# Altium PCB Thunderscope_Rev3.PCBDOC (part 4 of 6)
Units mm, origin at the board's own origin, x right, y up, seen from the top; angles counter-clockwise.
Board outline 119 x 104 mm, 6 copper layers (Top Layer, Int1 (GND), Int2 (Sign), Int3 (Sign), Int4 (GND), Bottom Layer), stack 1.49 mm thick; 575 components, 342 nets, 2000 pads, 1216 vias.
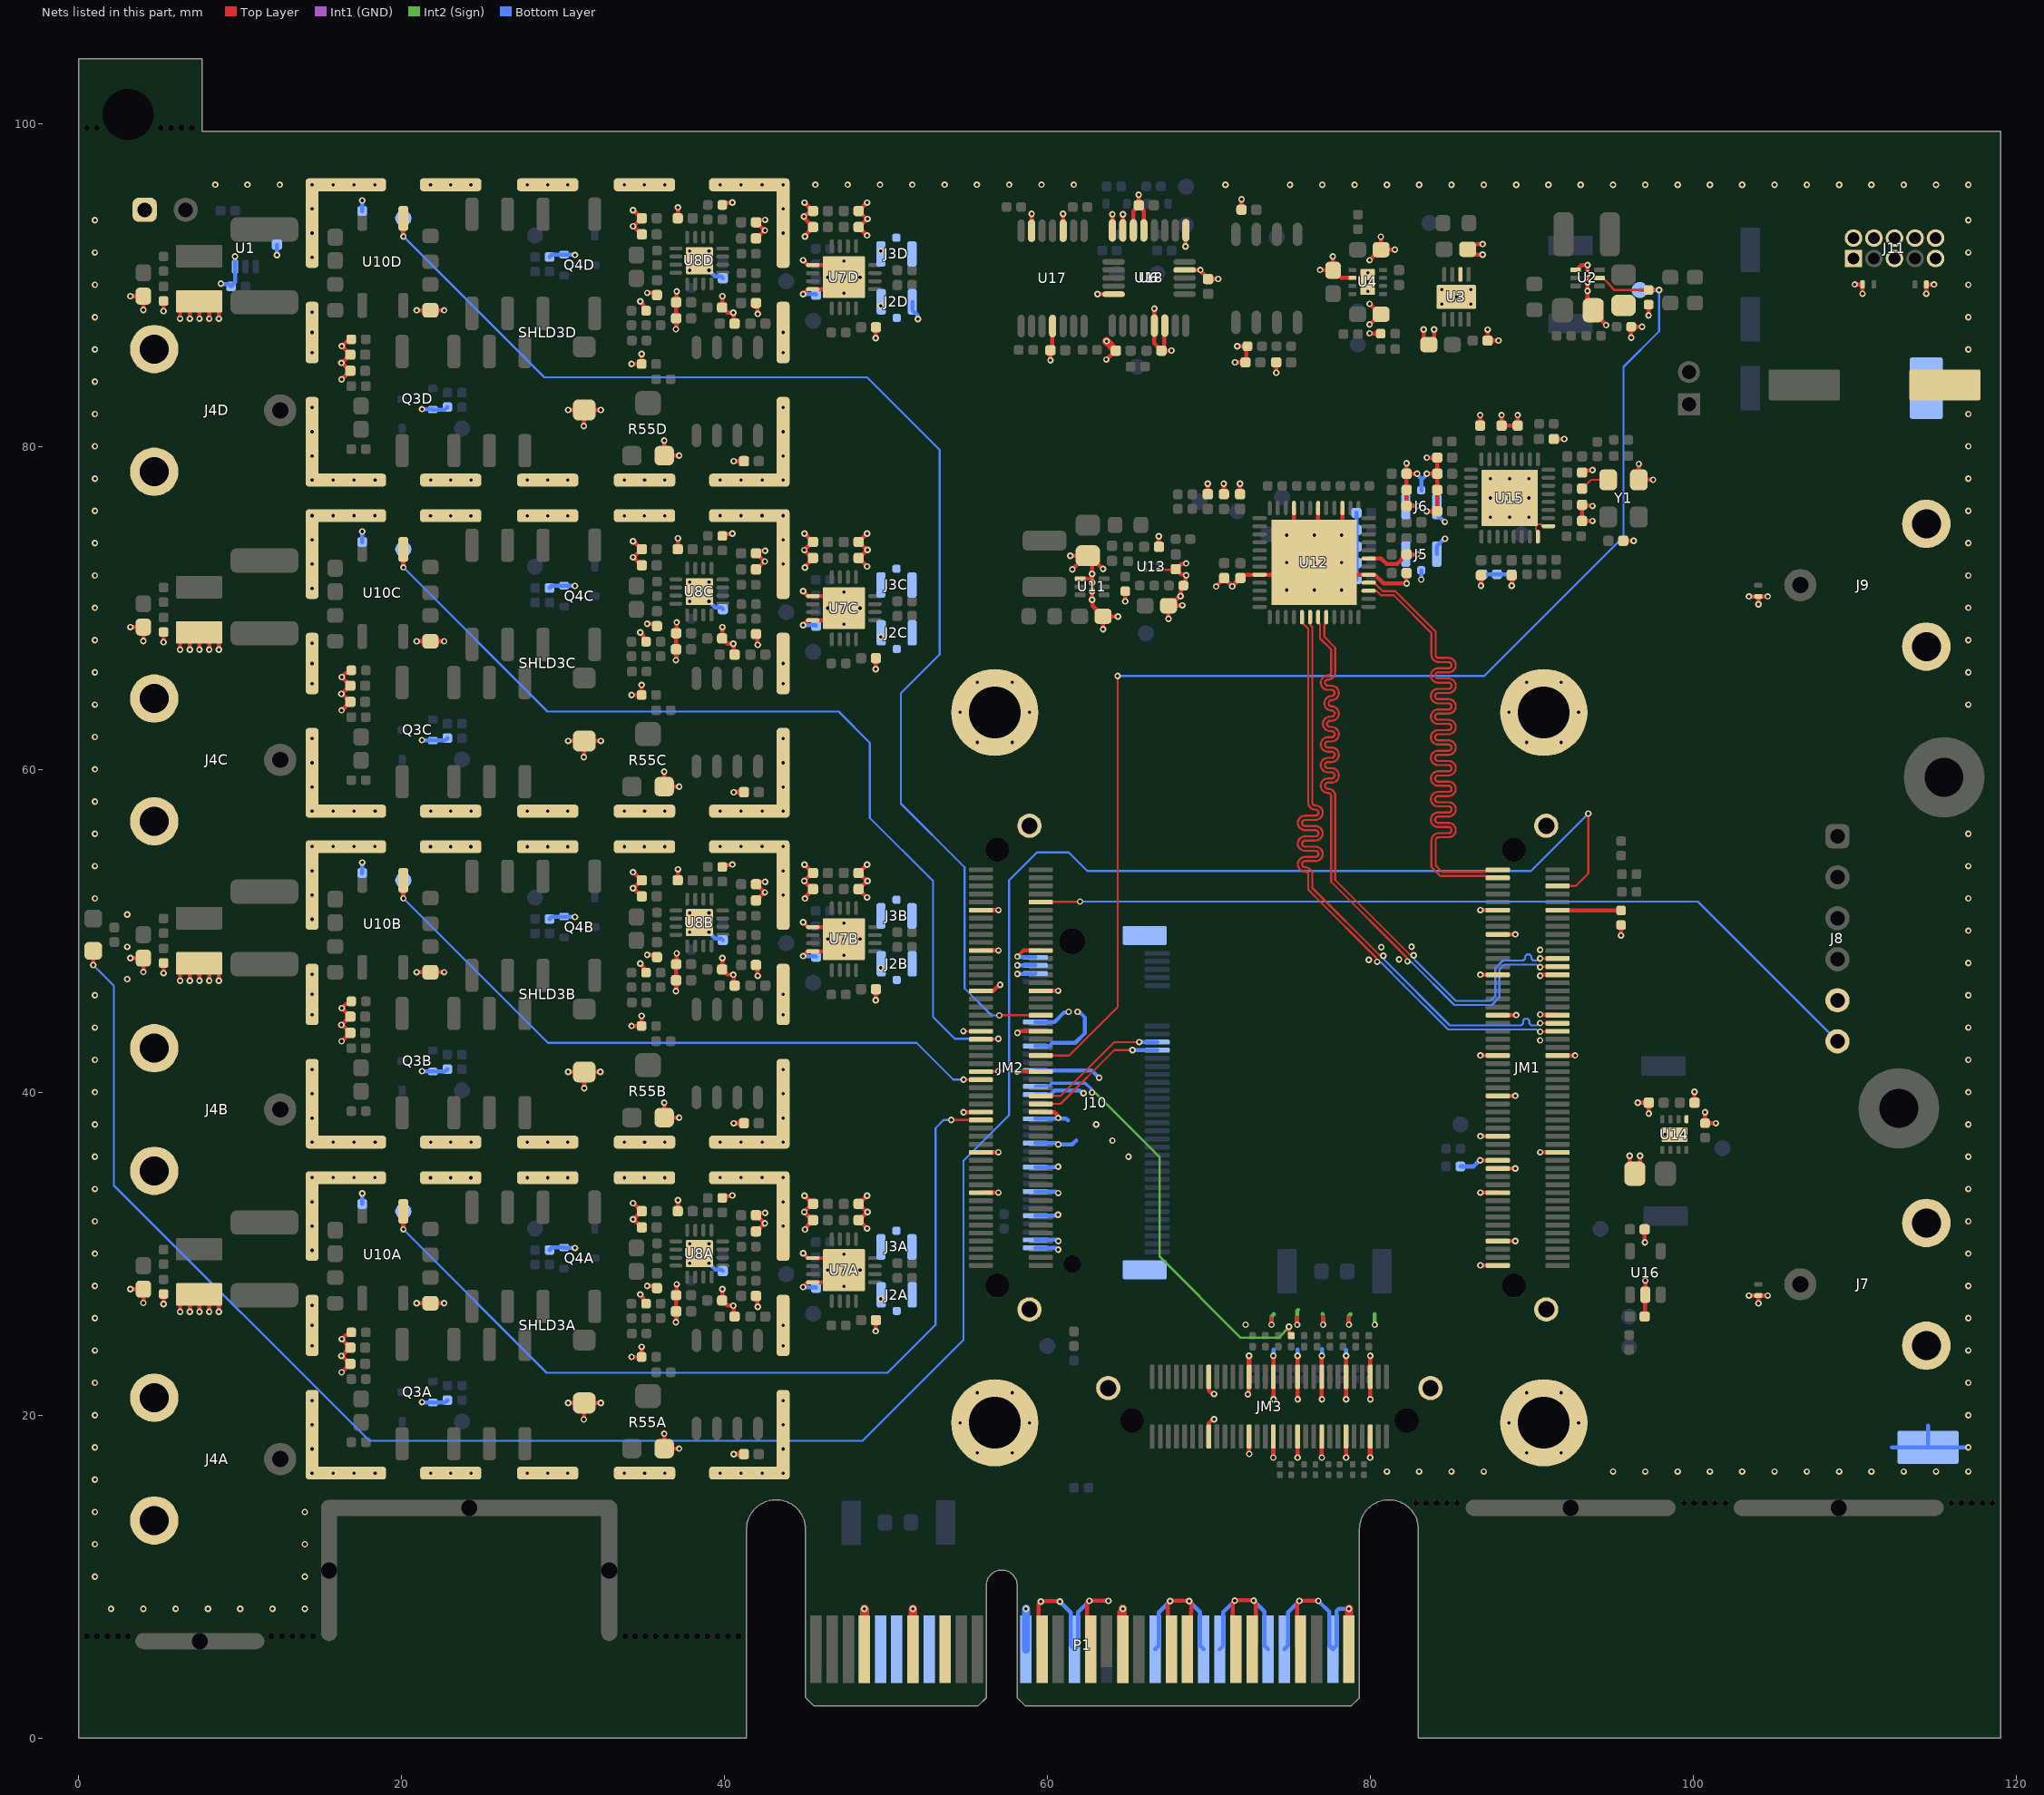
[diagram p8: the nets of this part, all layers, seen from the top]

## Via types
v1: diameter 0.406, hole 0.203, Top Layer to Bottom Layer, tented both sides, 1216 vias

## Nets (pads, with @x,y where several pads share a name; then routed paths per layer and width w, separated by ;. In a path a pad name is that pad's centre, name@x,y a point inside that pad or via, vN(x,y) a via of type N, cw(c..) or ccw(c..) an arc to the next point about the centre after c; other vN are vias at no path point) (continued)
D4B_N: JM1.99 U12.28 | length 42
  Top Layer w0.127: U12.28@79.868,71.55 80.208,71.55 80.731,71.027 81.523,71.027 84.018,68.532 84.018,67.276 84.018,67.084 ccw(c84.208,67.084) 84.208,66.893 84.815,66.893 cw(c84.815,66.445) 85.262,66.445 cw(c84.815,66.445) 84.815,65.998 84.169,65.998 ccw(c84.169,65.807) 83.979,65.807 ccw(c84.169,65.807) 84.169,65.617 84.815,65.617 cw(c84.815,65.169) 85.262,65.169 cw(c84.815,65.169) 84.815,64.721 84.169,64.721 ccw(c84.169,64.531) 83.979,64.531 ccw(c84.169,64.531) 84.169,64.34 84.815,64.34 cw(c84.815,63.892) 85.262,63.892 cw(c84.815,63.892) 84.815,63.445 84.169,63.445 ccw(c84.169,63.254) 83.979,63.254 ccw(c84.169,63.254) 84.169,63.064 84.815,63.064 cw(c84.815,62.616) 85.262,62.616 cw(c84.815,62.616) 84.815,62.168 84.169,62.168 ccw(c84.169,61.978) 83.979,61.978 ccw(c84.169,61.978) 84.169,61.787 84.815,61.787 cw(c84.815,61.34) 85.262,61.34 cw(c84.815,61.34) 84.815,60.892 84.169,60.892 ccw(c84.169,60.701) 83.979,60.701 ccw(c84.169,60.701) 84.169,60.511 84.815,60.511 cw(c84.815,60.063) 85.262,60.063 cw(c84.815,60.063) 84.815,59.615 84.169,59.615 ccw(c84.169,59.425) 83.979,59.425 ccw(c84.169,59.425) 84.169,59.234 84.815,59.234 cw(c84.815,58.787) 85.262,58.787 cw(c84.815,58.787) 84.815,58.339 84.169,58.339 ccw(c84.169,58.149) 83.979,58.149 ccw(c84.169,58.149) 84.169,57.958 84.815,57.958 cw(c84.815,57.51) 85.262,57.51 cw(c84.815,57.51) 84.815,57.063 84.169,57.063 ccw(c84.169,56.872) 83.979,56.872 ccw(c84.169,56.872) 84.169,56.682 84.815,56.682 cw(c84.815,56.234) 85.262,56.234 cw(c84.815,56.234) 84.815,55.786 84.208,55.786 ccw(c84.208,55.596) 84.018,55.596 84.018,54.046 84.264,53.8 84.415,53.649 87.139,53.649 87.261,53.771 JM1.99@87.867,53.771
D4B_P: JM1.97 U12.27 | length 41.9
  Top Layer w0.127: U12.27@79.868,71.05 79.889,71.029 80.365,71.029 80.624,70.77 81.417,70.77 83.761,68.426 83.761,67.276 83.761,67.084 ccw(c84.208,67.084) 84.208,66.636 84.815,66.636 cw(c84.815,66.445) 85.005,66.445 cw(c84.815,66.445) 84.815,66.255 84.169,66.255 ccw(c84.169,65.807) 83.722,65.807 ccw(c84.169,65.807) 84.169,65.359 84.815,65.359 cw(c84.815,65.169) 85.005,65.169 cw(c84.815,65.169) 84.815,64.978 84.169,64.978 ccw(c84.169,64.531) 83.722,64.531 ccw(c84.169,64.531) 84.169,64.083 84.815,64.083 cw(c84.815,63.892) 85.005,63.892 cw(c84.815,63.892) 84.815,63.702 84.169,63.702 ccw(c84.169,63.254) 83.722,63.254 ccw(c84.169,63.254) 84.169,62.807 84.815,62.807 cw(c84.815,62.616) 85.005,62.616 cw(c84.815,62.616) 84.815,62.426 84.169,62.426 ccw(c84.169,61.978) 83.722,61.978 ccw(c84.169,61.978) 84.169,61.53 84.815,61.53 cw(c84.815,61.34) 85.005,61.34 cw(c84.815,61.34) 84.815,61.149 84.169,61.149 ccw(c84.169,60.701) 83.722,60.701 ccw(c84.169,60.701) 84.169,60.254 84.815,60.254 cw(c84.815,60.063) 85.005,60.063 cw(c84.815,60.063) 84.815,59.873 84.169,59.873 ccw(c84.169,59.425) 83.722,59.425 ccw(c84.169,59.425) 84.169,58.977 84.815,58.977 cw(c84.815,58.787) 85.005,58.787 cw(c84.815,58.787) 84.815,58.596 84.169,58.596 ccw(c84.169,58.149) 83.722,58.149 ccw(c84.169,58.149) 84.169,57.701 84.815,57.701 cw(c84.815,57.51) 85.005,57.51 cw(c84.815,57.51) 84.815,57.32 84.169,57.32 ccw(c84.169,56.872) 83.722,56.872 ccw(c84.169,56.872) 84.169,56.424 84.815,56.424 cw(c84.815,56.234) 85.005,56.234 cw(c84.815,56.234) 84.815,56.043 84.208,56.043 ccw(c84.208,55.596) 83.761,55.596 83.761,53.939 83.836,53.863 83.9,53.8 84.308,53.392 87.139,53.392 87.261,53.271 JM1.97@87.867,53.271
DC_CPL_1: JM2.37 TP22A.1 U10A.1 | length 55.3
  Top Layer w0.127: v1(54.025,38.275) 54.027,38.273 JM2.37@55.865,38.273
  Top Layer w0.25: U10A.1@20.093,32.613 20.098,32.608 20.098,31.502 v1(20.1,31.5)
  Bottom Layer w0.127: TP22A.1@20.095,32.62 TP22A.1@20.098,32.617 ; v1@20.098,31.502 v1(20.1,31.5) 28.975,22.625 50.075,22.625 53.05,25.6 53.05,37.775 53.55,38.275 v1(54.025,38.275)
  Bottom Layer w0.254: v1@20.098,31.502 TP22A.1@20.098,32.617
DC_CPL_2: JM2.47 TP22B.1 U10B.1 | length 42.6
  Top Layer w0.127: v1@54.789,40.773 JM2.47@55.831,40.773
  Top Layer w0.25: U10B.1@20.093,53.113 20.098,53.108 20.098,52.002 v1(20.1,52)
  Bottom Layer w0.127: TP22B.1@20.095,53.12 TP22B.1@20.098,53.117 ; v1(20.1,52) 29.05,43.05 51.875,43.05 54.15,40.775 v1(54.787,40.775)
  Bottom Layer w0.254: v1@20.098,52.002 TP22B.1@20.098,53.117
DC_CPL_3: JM2.57 TP22C.1 U10C.1 | length 59.9
  Top Layer w0.127: JM2.57@55.877,43.285 v1@56.933,43.285
  Top Layer w0.25: U10C.1@20.093,73.613 20.098,73.608 20.098,72.502 v1(20.1,72.5)
  Bottom Layer w0.127: TP22C.1@20.095,73.62 TP22C.1@20.098,73.618 ; v1(20.1,72.5) 29.029,63.571 47.054,63.571 48.986,61.639 48.986,56.989 52.9,53.075 52.9,44.65 54.25,43.3 v1(56.947,43.3)
  Bottom Layer w0.254: v1@20.098,72.502 TP22C.1@20.098,73.618
DC_CPL_4: JM2.64 TP22D.1 U10D.1 | length 82.3
  Top Layer w0.127: v1(57,44.75) 57.01,44.76 59.552,44.76 JM2.64@59.561,44.769
  Top Layer w0.25: U10D.1@20.093,94.113 20.098,94.108 20.098,93.002 v1(20.1,93)
  Bottom Layer w0.127: TP22D.1@20.095,94.12 TP22D.1@20.098,94.118 ; v1@20.098,93.002 28.825,84.275 48.809,84.275 53.3,79.784 53.3,67.106 50.9,64.706 50.9,57.875 54.85,53.925 54.85,46.425 56.525,44.75 v1(57,44.75)
  Bottom Layer w0.254: v1@20.098,93.002 TP22D.1@20.098,94.118
EN1: JM1.27 R102.1 | length 2.5
  Top Layer w0.254: v1(86.775,35.775) 86.777,35.773 JM1.27@87.867,35.771 JM1.27@87.867,35.771
  Bottom Layer w0.254: R102.1@85.55,35.4 86.359,35.4 86.734,35.775 v1(86.775,35.775)
FCLK_N: JM1.78 U12.20 | length 42
  Top Layer w0.127: U12.20@77.243,69.425 77.243,69.085 77.122,68.964 77.122,68.203 77.8,67.525 77.8,66.745 77.8,66 cw(c77.352,66) 77.352,65.552 ccw(c77.352,65.362) 77.352,65.171 77.576,65.171 cw(c77.576,64.723) 77.576,64.276 ccw(c77.575,64.085) 77.575,63.895 cw(c77.576,63.447) 77.576,62.999 77.484,62.999 ccw(c77.484,62.809) 77.484,62.618 77.576,62.618 cw(c77.576,62.171) 77.576,61.723 77.35,61.723 ccw(c77.35,61.532) 77.35,61.342 77.576,61.342 cw(c77.576,60.894) 77.576,60.446 77.35,60.446 ccw(c77.35,60.256) 77.35,60.065 77.576,60.065 cw(c77.576,59.618) 77.576,59.17 77.35,59.17 ccw(c77.35,58.979) 77.35,58.789 77.352,58.789 cw(c77.352,58.341) 77.8,58.341 77.8,58.149 77.8,53.134 82.403,48.531 82.599,48.531 v1(82.652,48.477) ; v1(90.487,48.272) JM1.78@91.565,48.272
  Bottom Layer w0.127: v1(82.652,48.477) 82.706,48.424 82.706,48.228 85.277,45.657 87.393,45.657 87.717,45.98 87.717,47.692 88.175,48.15 89.306,48.15 89.318,48.15 89.369,48.15 ccw(c89.369,48.34) 89.56,48.34 89.56,48.349 cw(c89.75,48.349) 89.941,48.349 89.941,48.34 ccw(c90.131,48.34) 90.131,48.15 90.289,48.15 90.411,48.272 90.45,48.272 v1(90.487,48.272)
FCLK_P: JM1.76 U12.19 | length 42.1
  Top Layer w0.127: U12.19@76.743,69.425 76.743,69.085 76.864,68.964 76.864,68.097 77.543,67.418 77.543,66.745 77.543,66 cw(c77.352,66) 77.352,65.809 ccw(c77.352,65.362) 77.352,64.914 77.576,64.914 cw(c77.576,64.723) 77.576,64.533 ccw(c77.575,64.085) 77.575,63.637 cw(c77.576,63.447) 77.576,63.256 77.484,63.256 ccw(c77.484,62.809) 77.484,62.361 77.576,62.361 cw(c77.576,62.171) 77.576,61.98 77.35,61.98 ccw(c77.35,61.532) 77.35,61.085 77.576,61.085 cw(c77.576,60.894) 77.576,60.704 77.35,60.704 ccw(c77.35,60.256) 77.35,59.808 77.576,59.808 cw(c77.576,59.618) 77.576,59.427 77.35,59.427 ccw(c77.35,58.979) 77.35,58.532 77.352,58.532 cw(c77.352,58.341) 77.543,58.341 77.543,58.149 77.543,53.028 82.222,48.349 82.222,48.153 v1(82.275,48.1) ; v1(90.487,47.739) 90.513,47.765 90.938,47.765 90.952,47.779 90.992,47.739 JM1.76@91.567,47.739
  Bottom Layer w0.127: v1(82.275,48.1) 82.328,48.047 82.524,48.047 85.17,45.4 87.5,45.4 87.974,45.874 87.974,47.585 88.282,47.893 89.935,47.893 90.273,47.893 90.427,47.739 v1(90.487,47.739)
FE_EN: JM2.54 R6.1 TP7.1 U2.2 | length 82.8
  Top Layer w0.127: JM2.54@59.567,42.271 61.321,42.271 64.325,45.275 v1(64.325,65.775) ; U2.2@94.165,90.425 94.244,90.346 94.404,90.346 94.444,90.346 94.478,90.322 cw(c94.404,90.219) 94.504,90.296 94.535,90.265 94.688,90.113 94.691,90.11 95.034,89.718 95.077,89.675 95.13,89.675 R6.1@97.2,89.675 ; R6.1@97.206,89.675 R6.1@97.2,89.675 ; v1(97.85,89.675) R6.1@97.2,89.675
  Bottom Layer w0.127: v1(64.325,65.775) 87.025,65.775 95.65,74.4 95.65,84.925 97.85,87.125 v1(97.85,89.675)
  Bottom Layer w0.254: TP7.1@96.65,89.675 v1(97.85,89.675)
GND: C1.2 C2.1 C3.1 C4.1 C5.1 C6.1 C7.1 C8.1 C10.1 C11.1 C12.2 C13.1 C14.1 C18A.2 C18B.2 C18C.2 C18D.2 C20A.1 C20B.1 C20C.1 C20D.1 C21A.1 C21B.1 C21C.1 C21D.1 C22A.1 C22B.1 C22C.1 C22D.1 C23A.1 C23B.1 C23C.1 C23D.1 C24A.1 C24B.1 C24C.1 C24D.1 C25A.1 C25B.1 C25C.1 C25D.1 C26A.1 C26B.1 C26C.1 C26D.1 C28A.2 C28B.2 C28C.2 C28D.2 C29A.1 C29B.1 C29C.1 C29D.1 C31A.1 C31B.1 C31C.1 C31D.1 C32A.2 C32B.2 C32C.2 C32D.2 C33A.2 C33B.2 C33C.2 C33D.2 C34A.2 C34B.2 C34C.2 C34D.2 C35A.1 C35B.1 C35C.1 C35D.1 C36A.1 C36B.1 C36C.1 C36D.1 C37A.1 C37B.1 C37C.1 C37D.1 C38A.1 C38B.1 C38C.1 C38D.1 C39A.2 C39B.2 C39C.2 C39D.2 C41.1 C42.1 C43.1 C44.1 C45.1 C46.1 C47.1 C48.1 C49.1 C50.1 C52.1 C53.1 C54.1 C55.1 C56.1 C57.1 C58.1 C59.1 C60.1 C61.1 C63A.2 C63B.2 C63C.2 C63D.2 C64A.2 C64B.2 C64C.2 C64D.2 C78A.1 C78B.1 C78C.1 C78D.1 C82.2 C83.2 C84.2 C85.2 C86.2 C87.2 C88.2 C89.2 C90.2 C91.1 C92.1 C93.2 C94.2 C95.2 C97.2 C99.2 C100.1 C101A.2 C101B.2 C101C.2 C101D.2 C102A.2 C102B.2 C102C.2 C102D.2 C105.1 C106.1 C107.1 C108.1 C109.1 C110.1 C111.2 D4.2 D5.2 D6.2 D7.2 J1.1 J2A.2 J2B.2 J2C.2 J2D.2 J3A.2 J3B.2 J3C.2 J3D.2 J4A.2 J4B.2 J4C.2 J4D.2 J5.2 J6.2 J7.2 J8.5 J9.2 J10.2 J10.4 J10.10 J10.16 J10.22 J10.28 J10.34 J10.40 J10.46 J10.52 J10.58 J10.70 J10.72 J10.74 J10.76 J10.77 J11.1 J11.2 J11.4 J11.5 J11.6 J11.8 J11.9 J11.10 JM1.1 JM1.7 JM1.19 JM1.25 JM1.30 JM1.33 JM1.43 JM1.53 JM1.54 JM1.63 JM1.64 JM1.73 JM1.74 JM1.83 JM1.89 JM1.101 JM1.102 JM2.19 JM2.29 JM2.39 JM2.40 JM2.49 JM2.50 JM2.59 JM2.60 JM2.69 JM2.70 JM2.79 JM2.80 JM2.89 JM2.101 JM2.102 JM3.5 JM3.6 JM3.11 JM3.12 JM3.17 JM3.18 JM3.23 JM3.24 JM3.29 JM3.30 JM3.35 JM3.36 JM3.45 JM3.46 JM3.61 JM3.62 MH1.1 MH2.1 MH3.1 MH4.1 P1.A4 P1.A12 P1.A15 P1.A18 P1.A20 P1.A23 P1.A24 P1.A27 P1.A28 P1.A31 P1.B4 P1.B7 P1.B13 P1.B16 P1.B18 P1.B21 P1.B22 P1.B25 P1.B26 P1.B29 P1.B32 Q3A.3 Q3B.3 Q3C.3 Q3D.3 Q4A.3 Q4B.3 Q4C.3 Q4D.3 R2.1 R6.2 R13.1 R14.2 R26A.1 R26B.1 R26C.1 R26D.1 R28A.1 R28B.1 R28C.1 R28D.1 R35A.1 R35B.1 R35C.1 R35D.1 R38.1 R39.1 R46.2 R49A.1 R49B.1 R49C.1 R49D.1 R50A.1 R50B.1 R50C.1 R50D.1 R53A.1 R53B.1 R53C.1 R53D.1 R54A.1 R54B.1 R54C.1 R54D.1 R55A.3 R55B.3 R55C.3 R55D.3 R61.1 R92.1 R93.1 R94.1 R96A.1 R96B.1 R96C.1 R96D.1 R98A.1 R98B.1 R98C.1 R98D.1 R100A.1 R100B.1 R100C.1 R100D.1 R103.1 R105.1 SHLD3A.1 SHLD3B.1 SHLD3C.1 SHLD3D.1 TP5.1 TP6.1 U1.3 U2.4 U3.6 U3.9 U4.2 U4.9 U6.4 U6.10 U7A.5 U7A.8 U7A.17 U7B.5 U7B.8 U7B.17 U7C.5 U7C.8 U7C.17 U7D.5 U7D.8 U7D.17 U8A.17 U8B.17 U8C.17 U8D.17 U11.1 U12.8 U12.29 U12.31 U12.39 U12.42 U12.45 U12.49 U13.C1 U14.5 U14.9 U15.1 U15.32 U15.33 U16.2 U17.3 U17.6 U17.11 U18.5 U18.6 U18.9 U18.13 U18.14 U18.15 U18.16 VAR1A.1 VAR1B.1 VAR1C.1 VAR1D.1 Y1.2 | length 533.8
  Top Layer w0.127: v1(54.775,43.774) 54.777,43.772 JM2.59@55.831,43.772 ; JM2.49@55.877,41.285 v1@56.933,41.285 ; U13.C1@66.825,72.35 C61.1@67.925,72.35 ; v1(88.6,76.8) U15.33@90.225,75.175 ; U15.32@90.35,74.4 90.35,74.711 90.225,74.836 U15.33@90.225,75.175 ; U15.1@91,75.05 90.689,75.05 90.564,75.175 U15.33@90.225,75.175
  Top Layer w0.25: v1(6.275,26.4) VAR1A.1@6.275,26.902 ; v1(6.275,46.9) VAR1B.1@6.275,47.402 ; v1(6.275,67.4) VAR1C.1@6.275,67.902 ; v1(6.275,87.9) VAR1D.1@6.275,88.402 ; v1(6.875,26.4) VAR1A.1@6.875,26.902 ; v1(6.875,46.9) VAR1B.1@6.875,47.402 ; v1(6.875,67.4) VAR1C.1@6.875,67.902 ; v1(6.875,87.9) VAR1D.1@6.875,88.402 ; VAR1A.1@7.45,27.475 8.102,27.475 8.675,26.902 v1(8.675,26.4) ; VAR1B.1@7.45,47.975 8.102,47.975 8.675,47.402 v1(8.675,46.9) ; VAR1C.1@7.45,68.475 8.102,68.475 8.675,67.902 v1(8.675,67.4) ; VAR1D.1@7.45,88.975 8.102,88.975 8.675,88.402 v1(8.675,87.9) ; v1(7.475,26.4) VAR1A.1@7.475,26.902 ; v1(7.475,46.9) VAR1B.1@7.475,47.402 ; v1(7.475,67.4) VAR1C.1@7.475,67.902 ; v1(7.475,87.9) VAR1D.1@7.475,88.402 ; VAR1A.1@8.05,26.902 8.075,26.902 v1(8.075,26.4) ; VAR1B.1@8.05,47.402 8.075,47.402 v1(8.075,46.9) ; VAR1C.1@8.05,67.902 8.075,67.902 v1(8.075,67.4) ; VAR1D.1@8.05,88.402 8.075,88.402 v1(8.075,87.9) ; v1(16.258,23.664) 16.308,23.664 16.797,23.175 C20A.1@16.808,23.175 ; v1(16.258,44.164) 16.308,44.164 16.797,43.675 C20B.1@16.808,43.675 ; v1(16.258,64.664) 16.308,64.664 16.797,64.175 C20C.1@16.808,64.175 ; v1(16.258,85.164) 16.308,85.164 16.797,84.675 C20D.1@16.808,84.675 ; v1(16.275,22.65) 16.283,22.65 C20A.1@16.808,23.175 ; v1(16.275,43.15) 16.283,43.15 C20B.1@16.808,43.675 ; v1(16.275,63.65) 16.283,63.65 C20C.1@16.808,64.175 ; v1(16.275,84.15) 16.283,84.15 C20D.1@16.808,84.675 ; v1@16.286,23.664 16.797,24.175 C21A.1@16.815,24.175 ; v1@16.286,44.164 16.797,44.675 C21B.1@16.815,44.675 ; v1@16.286,64.664 16.797,65.175 C21C.1@16.815,65.175 ; v1@16.286,85.164 16.797,85.675 C21D.1@16.815,85.675 ; C20A.1@16.815,23.175 C20A.1@16.808,23.175 ; C20B.1@16.815,43.675 C20B.1@16.808,43.675 ; C20C.1@16.815,64.175 C20C.1@16.808,64.175 ; C20D.1@16.815,84.675 C20D.1@16.808,84.675 ; C21A.1@16.845,24.205 C21A.1@16.815,24.175 ; C21B.1@16.845,44.705 C21B.1@16.815,44.675 ; C21C.1@16.845,65.205 C21C.1@16.815,65.175 ; C21D.1@16.845,85.705 C21D.1@16.815,85.675 ; R26A.1@16.863,25.125 R26A.1@16.875,25.125 16.716,24.966 16.555,24.966 v1(16.293,24.705) 16.815,24.183 C21A.1@16.815,24.175 ; R26B.1@16.863,45.625 R26B.1@16.875,45.625 16.716,45.466 16.555,45.466 v1(16.293,45.205) 16.815,44.683 C21B.1@16.815,44.675 ; R26C.1@16.863,66.125 R26C.1@16.875,66.125 16.716,65.966 16.555,65.966 v1(16.293,65.705) 16.815,65.183 C21C.1@16.815,65.175 ; R26D.1@16.863,86.625 R26D.1@16.875,86.625 16.716,86.466 16.555,86.466 v1(16.293,86.205) 16.815,85.683 C21D.1@16.815,85.675 ; v1(34.317,32.125) 34.347,32.125 34.852,31.62 C34A.2@34.865,31.62 ; v1(34.317,52.625) 34.347,52.625 34.852,52.12 C34B.2@34.865,52.12 ; v1(34.317,73.125) 34.347,73.125 34.852,72.62 C34C.2@34.865,72.62 ; v1(34.317,93.625) 34.347,93.625 34.852,93.12 C34D.2@34.865,93.12 ; v1@34.348,32.125 C32A.2@34.847,32.625 ; v1@34.348,33.125 C32A.2@34.847,32.625 ; v1@34.348,52.625 C32B.2@34.847,53.125 ; v1@34.348,53.625 C32B.2@34.847,53.125 ; v1@34.348,73.125 C32C.2@34.847,73.625 ; v1@34.348,74.125 C32C.2@34.847,73.625 ; v1@34.348,93.625 C32D.2@34.847,94.125 ; v1@34.348,94.625 C32D.2@34.847,94.125 ; C32A.2@34.865,32.625 C32A.2@34.847,32.625 ; C32B.2@34.865,53.125 C32B.2@34.847,53.125 ; C32C.2@34.865,73.625 C32C.2@34.847,73.625 ; C32D.2@34.865,94.125 C32D.2@34.847,94.125 ; v1(36.975,25.749) 36.983,25.757 36.983,26.418 C39A.2@36.99,26.425 C38A.1@36.99,27.425 37.008,27.443 37.008,28.083 v1(37.025,28.101) ; v1(36.975,46.249) 36.983,46.257 36.983,46.918 C39B.2@36.99,46.925 C38B.1@36.99,47.925 37.008,47.943 37.008,48.583 v1(37.025,48.601) ; v1(36.975,66.749) 36.983,66.757 36.983,67.418 C39C.2@36.99,67.425 C38C.1@36.99,68.425 37.008,68.443 37.008,69.083 v1(37.025,69.101) ; v1(36.975,87.249) 36.983,87.257 36.983,87.918 C39D.2@36.99,87.925 C38D.1@36.99,88.925 37.008,88.943 37.008,89.583 v1(37.025,89.601) ; C35A.1@37.09,32.625 37.095,32.63 37.095,33.296 v1(37.1,33.301) ; C35B.1@37.09,53.125 37.095,53.13 37.095,53.796 v1(37.1,53.801) ; C35C.1@37.09,73.625 37.095,73.63 37.095,74.296 v1(37.1,74.301) ; C35D.1@37.09,94.125 37.095,94.13 37.095,94.796 v1(37.1,94.801) ; v1(39.85,27.8) 39.843,27.793 39.843,27.108 C37A.1@39.835,27.1 39.853,27.1 40.172,26.781 40.519,26.781 v1(40.525,26.775) 40.546,26.754 40.546,26.382 40.81,26.118 C31A.1@40.81,26.1 ; v1(39.85,48.3) 39.843,48.293 39.843,47.608 C37B.1@39.835,47.6 39.853,47.6 40.172,47.281 40.519,47.281 v1(40.525,47.275) 40.546,47.254 40.546,46.882 40.81,46.618 C31B.1@40.81,46.6 ; v1(39.85,68.8) 39.843,68.793 39.843,68.108 C37C.1@39.835,68.1 39.853,68.1 40.172,67.781 40.519,67.781 v1(40.525,67.775) 40.546,67.754 40.546,67.382 40.81,67.118 C31C.1@40.81,67.1 ; v1(39.85,89.3) 39.843,89.293 39.843,88.608 C37D.1@39.835,88.6 39.853,88.6 40.172,88.281 40.519,88.281 v1(40.525,88.275) 40.546,88.254 40.546,87.882 40.81,87.618 C31D.1@40.81,87.6 ; C28A.2@41.935,27.375 42.02,27.29 42.02,26.73 v1(42.05,26.7) ; C28B.2@41.935,47.875 42.02,47.79 42.02,47.23 v1(42.05,47.2) ; C28C.2@41.935,68.375 42.02,68.29 42.02,67.73 v1(42.05,67.7) ; C28D.2@41.935,88.875 42.02,88.79 42.02,88.23 v1(42.05,88.2) ; v1(44.85,27.925) 45.15,28.225 U7A.17@46.625,28.225 ; v1(44.85,30.025) 45.15,29.725 46.625,29.725 v1(47.375,28.975) ; v1(44.85,48.425) 45.15,48.725 U7B.17@46.625,48.725 ; v1(44.85,50.525) 45.15,50.225 46.625,50.225 v1(47.375,49.475) ; v1(44.85,68.925) 45.15,69.225 U7C.17@46.625,69.225 ; v1(44.85,71.025) 45.15,70.725 46.625,70.725 v1(47.375,69.975) ; v1(44.85,89.425) 45.15,89.725 U7D.17@46.625,89.725 ; v1(44.85,91.525) 45.15,91.225 U7D.5@45.45,91.225 46.625,91.225 v1(47.375,90.475)